# KiCad board antmicro-jetson-agx-csi-adapter.kicad_pcb
title: Jetson AGX CSI adapter; date: 2024-06-24; rev: 1.0.1; company: Antmicro
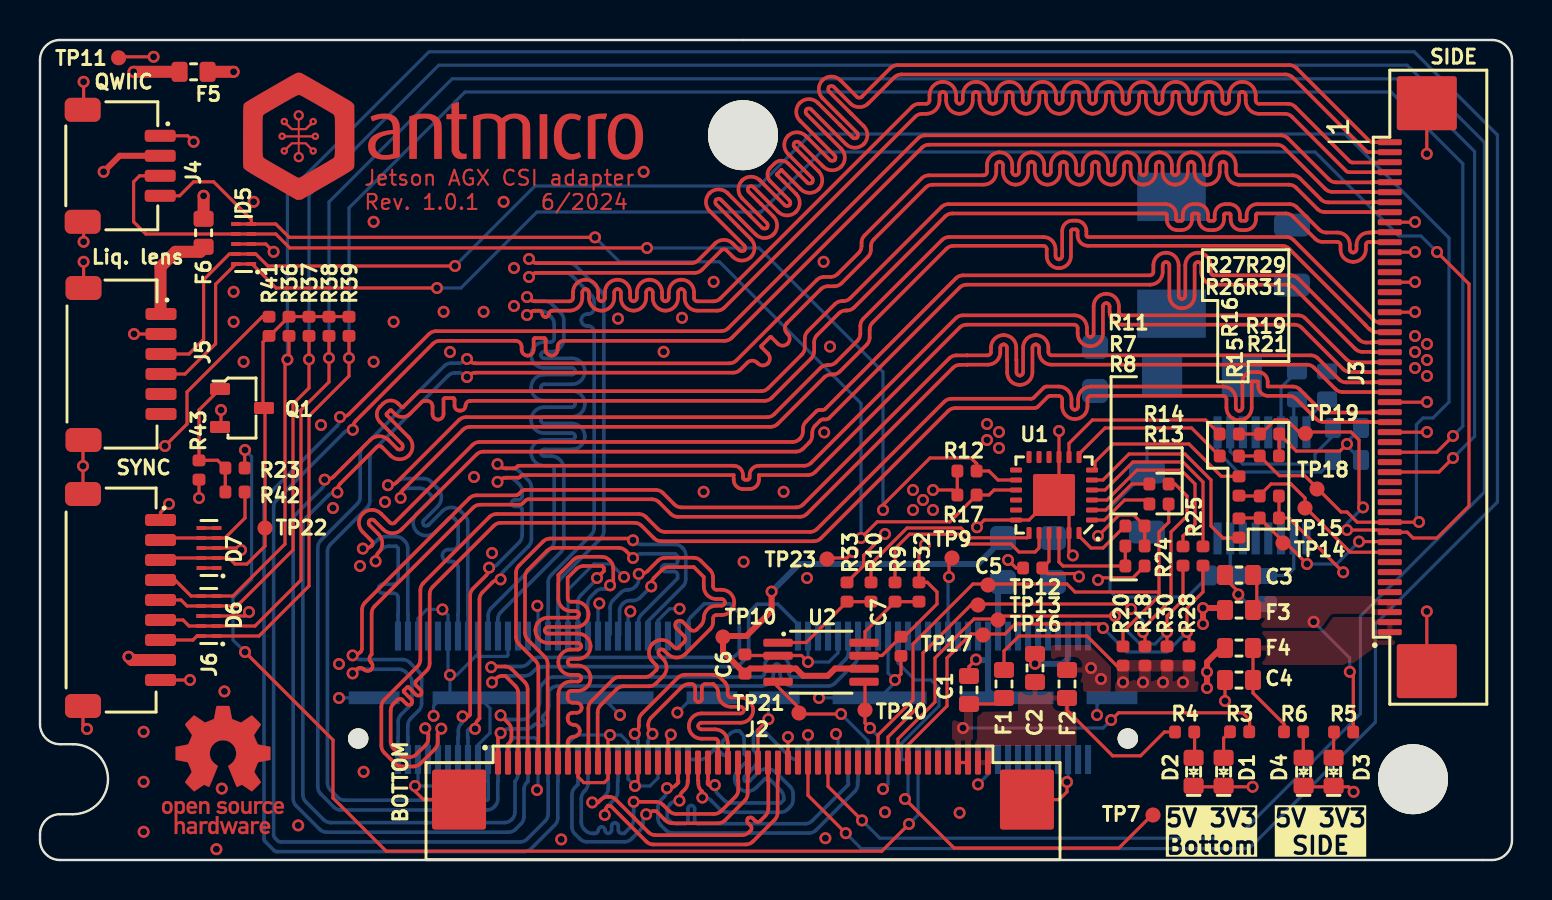
[diagram p0: board, top side]
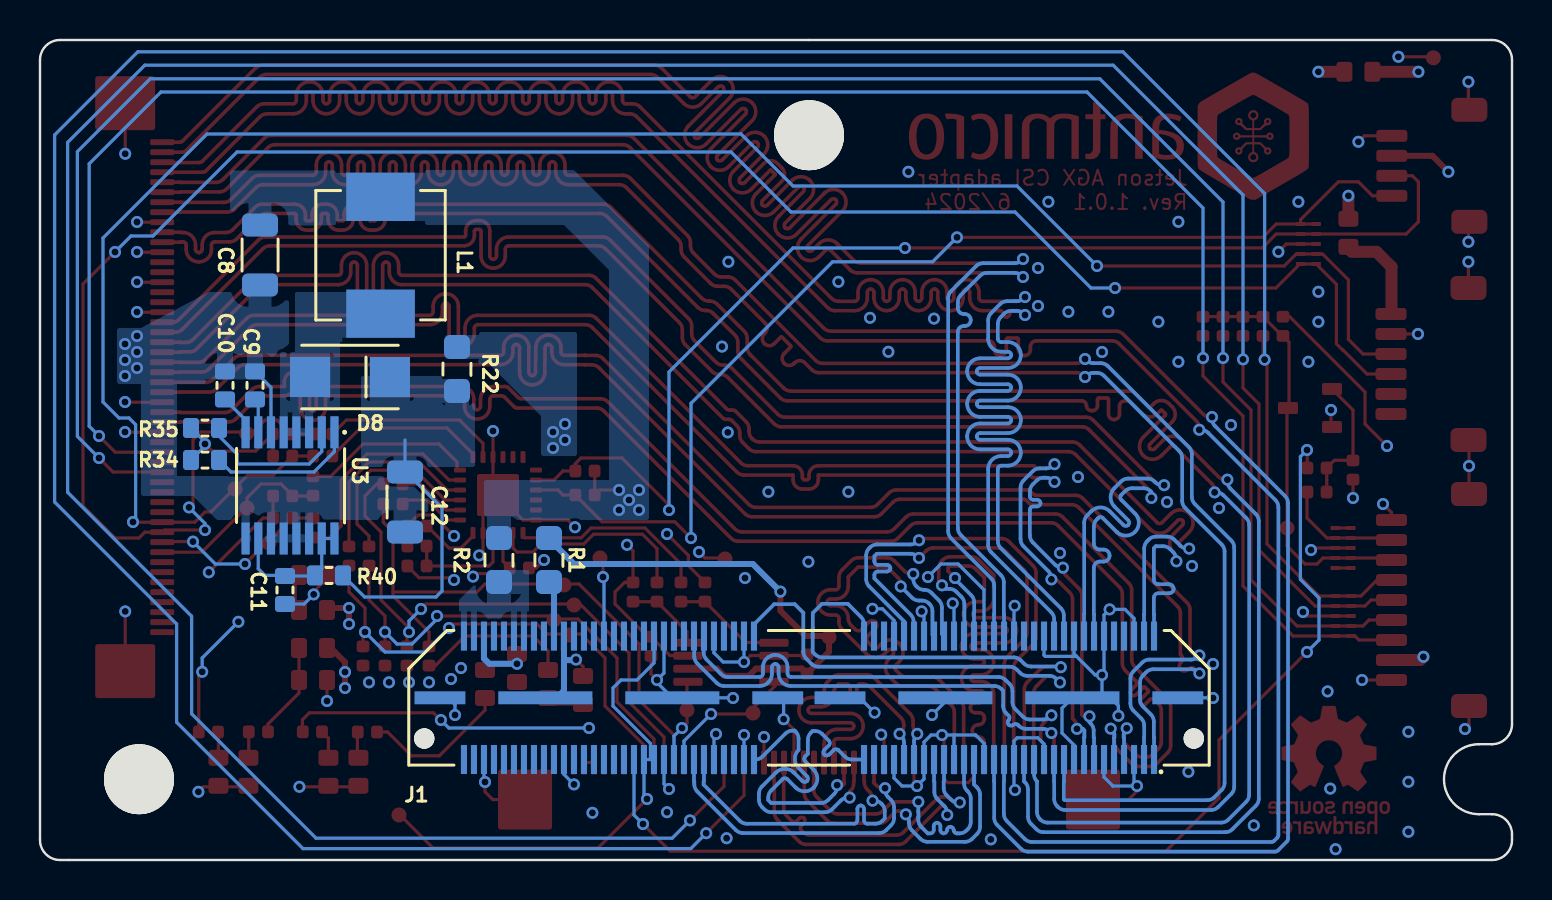
[diagram p1: board, bottom side, seen from below]

Outline 73.6 x 41 mm; copper layers: Top, In1.Cu (plane), In2.Cu (plane), Bottom. Coordinates in mm from the lower left corner of the outline.
Outline path: 0,40 arc(0.29,40.71) 1,41 72.6,41 arc(73.31,40.71) 73.6,40 73.6,1 arc(73.31,0.29) 72.6,0 1,0 arc(0.29,0.29) 0,1 0,1.29 arc(0.29,2) 1,2.29 1.65,2.29 arc(3.4,4.04) 1.65,5.79 1,5.79 arc(0.29,6.08) 0,6.79 0,40
Stack: Top 0.018mm / dielectric 0.12mm PR2116 er 4.3 / In1.Cu 0.035mm / dielectric 1.2mm FR4 er 4.5 / In2.Cu 0.035mm / dielectric 0.12mm PR2116 er 4.3 / Bottom 0.018mm

## Placement (name value [footprint] x y rotation side)
C1  C_1u_0603  [C_0603_1608Metric]  46.45 8.5 90 top
C2  C_1u_0603  [C_0603_1608Metric]  49.75 9.6 90 top
C3  C_1u_0603  [C_0603_1608Metric]  59.95 14.25 180 top
C4  C_1u_0603  [C_0603_1608Metric]  59.95 9 180 top
C5  C_100n_0402  [C_0402_1005Metric]  49.64 14.6 0 top
C6  C_100n_0402  [C_0402_1005Metric]  35.25 9.8 270 top
C7  C_100n_0402  [C_0402_1005Metric]  43.05 10.69 90 top
C8  C_220u_1206_6V3  [C_1206_3216Metric]  62.6 30.25 90 bottom
C9  C_100n_0603  [C_0603_1608Metric]  62.85 23.73 270 bottom
C10  C_220n_0603  [C_0603_1608Metric]  64.35 23.73 90 bottom
C11  C_100n_0603  [C_0603_1608Metric]  61.35 13.5 90 bottom
C12  C_220u_1206_6V3  [C_1206_3216Metric]  55.35 17.9 90 bottom
D1  LED_G_0603_LTST-C190GKT  [LED_0603_1608Metric_G]  59.18 4.41 90 top
D2  LED_G_0603_LTST-C190GKT  [LED_0603_1608Metric_G]  57.68 4.41 90 top
D3  LED_G_0603_LTST-C190GKT  [LED_0603_1608Metric_G]  64.68 4.41 90 top
D4  LED_G_0603_LTST-C190GKT  [LED_0603_1608Metric_G]  63.18 4.41 90 top
D5  PUSB3F96X_PASS  [Nexperia_DFN-10_2.5x1mm_P0.5mm]  10.18 30.8 90 top
D6  PUSB3F96X_PASS  [Nexperia_DFN-10_2.5x1mm_P0.5mm]  8.44 12.2 90 top
D7  PUSB3F96X_PASS  [Nexperia_DFN-10_2.5x1mm_P0.5mm]  8.45 15.6 90 top
D8  B340A-13-F  [D_SMA]  58.1 24.15 0 bottom
F1  F_1.25A_0603  [F_0603_1608Metric]  48.2 8.8 90 top
F2  F_1.25A_0603  [F_0603_1608Metric]  51.35 8.8 90 top
F3  F_1.25A_0603  [F_0603_1608Metric]  59.95 12.5 180 top
F4  F_1.25A_0603  [F_0603_1608Metric]  59.95 10.6 180 top
F5  F_1.25A_0603  [F_0603_1608Metric]  7.68 39.41 0 top
F6  F_1.25A_0603  [F_0603_1608Metric]  8.18 31.36 90 top
J1  Plug_Samtec_QTH_2x60_QTH-060-03-L-D-A  [Conn_Plug_Samtec_QTH_2x60_QTH-060-03-L-D-A]  35.15 8.11 0 bottom
J2  Conn_FFC_WE_68715014522  [Conn_FFC_WE_68715014x22]  35.15 2.72 0 top
J3  Conn_FFC_WE_68715014022_CUSTOM_FLIPPED  [Conn_FFC_WE_68715014x22_CUSTOM_FLIPPED]  69.64 23.64 90 top
J4  JST_SH_1x4_SM04B-SRSS-TB-LF-SN  [Conn_JST_SH_1x4_SM04B-SRSS-TB-LF-SN]  3.89 34.71 270 top
J5  JST_SH_1x6_SM06B-SRSS-TB-LF-SN  [Conn_JST_SH_1x6_SM06B-SRSS-TB-LF-SN]  3.95 24.8 270 top
J6  JST_SH_1x9_SM09B-SRSS-TB-LF-SN  [Conn_JST_SH_1x9_SM09B-SRSS-TB-LF-SN]  3.91 13 270 top
L1  L_8u2_4A_2525  [L_2525_6363Metric]  56.6 30.25 270 bottom
MP1  -  [MP_NPTH_Drill3.5mm]  35.15 36.24 0 top
MP2  -  [MP_NPTH_Drill3.5mm]  68.65 4.04 0 top
N1  antmicro_logo  [antmicro-logo_scaled_20mm]  20.15 36 0 top
N2  oshw_logo  [oshw-logo]  9.15 4.5 0 top
Q1  BSS138AKA  [SOT-23-3]  10.1 22.6 0 top
R1  R_0R_0805  [R_0805_2012Metric]  48.15 15 90 bottom
R2  R_0R_0805  [R_0805_2012Metric]  50.65 15 90 bottom
R3  R_200R_0402  [R_0402_1005Metric]  59.98 6.41 180 top
R4  R_470R_0402  [R_0402_1005Metric]  57.23 6.4 0 top
R5  R_200R_0402  [R_0402_1005Metric]  65.18 6.4 180 top
R6  R_470R_0402  [R_0402_1005Metric]  62.68 6.41 0 top
R7  R_0R_0402  [R_0402_1005Metric]  54.75 15.7 0 top
R8  R_0R_0402  [R_0402_1005Metric]  54.75 14.7 180 top
R9  R_0R_0402  [R_0402_1005Metric]  42.75 13.4 90 top
R10  R_0R_0402  [R_0402_1005Metric]  41.55 13.4 90 top
R11  R_10k_0402  [R_0402_1005Metric]  54.75 16.7 0 top
R12  R_2k_0402  [R_0402_1005Metric]  46.35 19.45 180 top
R13  R_0R_0402  [R_0402_1005Metric]  55.95 17.8 0 top
R14  R_0R_0402  [R_0402_1005Metric]  55.95 18.8 0 top
R15  R_0R_0402  [R_0402_1005Metric]  59.95 16.6 90 top
R16  R_0R_0402  [R_0402_1005Metric]  59.95 18.7 270 top
R17  R_2k_0402  [R_0402_1005Metric]  46.35 18.25 180 top
R18  R_2k_0402  [R_0402_1005Metric]  55.25 10.2 270 top
R19  R_2k_0402  [R_0402_1005Metric]  61.47 18.2 0 top
R20  R_2k_0402  [R_0402_1005Metric]  54.15 10.2 270 top
R21  R_2k_0402  [R_0402_1005Metric]  61.47 17.1 0 top
R22  R_0R_0805  [R_0805_2012Metric]  52.75 24.55 90 bottom
R23  R_0R_0402  [R_0402_1005Metric]  9.75 19.6 0 top
R24  R_0R_0402  [R_0402_1005Metric]  57.15 15.2 270 top
R25  R_0R_0402  [R_0402_1005Metric]  58.15 15.2 270 top
R26  R_0R_0402  [R_0402_1005Metric]  59.47 20.2 0 top
R27  R_0R_0402  [R_0402_1005Metric]  59.47 21.3 0 top
R28  R_2k_0402  [R_0402_1005Metric]  57.45 10.2 270 top
R29  R_2k_0402  [R_0402_1005Metric]  61.48 21.3 0 top
R30  R_2k_0402  [R_0402_1005Metric]  56.35 10.2 270 top
R31  R_2k_0402  [R_0402_1005Metric]  61.47 20.2 0 top
R32  R_2k_0402  [R_0402_1005Metric]  43.95 13.4 90 top
R33  R_2k_0402  [R_0402_1005Metric]  40.35 13.4 90 top
R34  R_2k2_0603  [R_0603_1608Metric]  65.35 20 0 bottom
R35  R_2k2_0603  [R_0603_1608Metric]  65.35 21.6 0 bottom
R36  R_0R_0402  [R_0402_1005Metric]  12.45 26.69 90 top
R37  R_0R_0402  [R_0402_1005Metric]  13.45 26.69 90 top
R38  R_0R_0402  [R_0402_1005Metric]  14.45 26.69 90 top
R39  R_0R_0402  [R_0402_1005Metric]  15.45 26.69 90 top
R40  R_2R_0603  [R_0603_1608Metric]  59.15 14.23 180 bottom
R41  R_2k_0402  [R_0402_1005Metric]  11.45 26.69 90 top
R42  R_0R_0402  [R_0402_1005Metric]  9.75 18.4 0 top
R43  R_2k_0402  [R_0402_1005Metric]  7.95 19.5 90 top
TP7  TP_0.75mm_SMD  [TP_SMD_0.75mm]  55.65 2.25 0 top
TP9  TP_0.75mm_SMD  [TP_SMD_0.75mm]  45.6 15.1 0 top
TP10  TP_0.75mm_SMD  [TP_SMD_0.75mm]  34.15 11.15 0 top
TP11  TP_0.75mm_SMD  [TP_SMD_0.75mm]  3.93 40.11 0 top
TP12  TP_0.75mm_SMD  [TP_SMD_0.75mm]  47.4 13.75 0 top
TP13  TP_0.75mm_SMD  [TP_SMD_0.75mm]  46.9 12.75 0 top
TP14  TP_0.75mm_SMD  [TP_SMD_0.75mm]  62.15 15.85 0 top
TP15  TP_0.75mm_SMD  [TP_SMD_0.75mm]  63.25 17.6 0 top
TP16  TP_0.75mm_SMD  [TP_SMD_0.75mm]  47.9 12 0 top
TP17  TP_0.75mm_SMD  [TP_SMD_0.75mm]  47.15 11.25 0 top
TP18  TP_0.75mm_SMD  [TP_SMD_0.75mm]  63.85 18.55 0 top
TP19  TP_0.75mm_SMD  [TP_SMD_0.75mm]  63.27 21.33 0 top
TP20  TP_0.75mm_SMD  [TP_SMD_0.75mm]  41.25 7.5 180 top
TP21  TP_0.75mm_SMD  [TP_SMD_0.75mm]  37.95 7.35 180 top
TP22  TP_0.75mm_SMD  [TP_SMD_0.75mm]  11.25 16.6 0 top
TP23  TP_0.75mm_SMD  [TP_SMD_0.75mm]  39.35 15.05 0 top
U1  PCA9547_VQFN  [VQFN-24-1EP_3.8x3.8x1.0mm_P0.5mm]  50.7 18.25 180 top
U2  NTS0102_TSSOP  [TSSOP-8_3x3mm_P0.65mm]  39.05 9.9 0 top
U3  MAX1708EEE+  [QSOP-16_3.9x4.9mm_P0.635mm]  61.1 18.73 270 bottom

## Library data of the parts
C1 = -: Description: SMD Multilayer Ceramic Capacitor, 1 µF, 16 V, 0603 [1608 Metric], ± 10%, X5R, AVX 0603 MLCC; Author: Antmicro; License: Apache-2.0; MPN: 0603YD105KAT2A; Manufacturer: KYOCERA AVX; Public: False; Val: 1u; Field12: Author: Antmicro; Field13: License: Apache-2.0
C2 C4 = -: Description: SMD Multilayer Ceramic Capacitor, 1 µF, 16 V, 0603 [1608 Metric], ± 10%, X5R, AVX 0603 MLCC; Author: Antmicro; License: Apache-2.0; MPN: 0603YD105KAT2A; Manufacturer: KYOCERA AVX; Public: False; Val: 1u; Field12: License: Apache-2.0; Field13: Author: Antmicro
C3 = -: Description: SMD Multilayer Ceramic Capacitor, 1 µF, 16 V, 0603 [1608 Metric], ± 10%, X5R, AVX 0603 MLCC; Author: Antmicro; License: Apache-2.0; MPN: 0603YD105KAT2A; Manufacturer: KYOCERA AVX; Public: False; Val: 1u; Field12: License: Apache-2.0; Field14: Author: Antmicro
C5-C7 = -: Description: SMD Multilayer Ceramic Capacitor, 0.1 µF, 50 V, 0402 [1005 Metric], ± 10%, X5R, GRM Series; Author: Antmicro; Dielectric: X5R; License: Apache-2.0; MPN: GRM155R61H104KE14D; Manufacturer: Murata; Public: False; Val: 100n; Voltage: 50V; Field12: Author: Antmicro; Field13: License: Apache-2.0
C8 = -: Description: SMD Multilayer Ceramic Capacitor, 220 µF, 6.3 V, 1206 [3216 Metric], ± 20%, X5R, GRM Series; Author: Antmicro; License: Apache-2.0; MPN: GRM31CR60J227ME11L; Manufacturer: Murata; Public: False; Val: 220u; Field12: Author: Antmicro; Field14: License: Apache-2.0
C9 = -: Description: SMD Multilayer Ceramic Capacitor, 0.1 µF, 16 V, 0603 [1608 Metric], ± 10%, X7R, AVX 0603 MLCC; Author: Antmicro; License: Apache-2.0; MPN: 0603YC104KAZ2A; Manufacturer: AVX; Public: False; Val: 100n; Field12: License: Apache-2.0; Field14: Author: Antmicro
C10 = -: Description: SMD Multilayer Ceramic Capacitor, 0.22 µF, 10 V, 0603 [1608 Metric], ± 10%, X7R; Author: Antmicro; License: Apache-2.0; MPN: 0603B224K100CT; Manufacturer: Walsin; Public: False; Val: 220n; Field12: License: Apache-2.0; Field13: Author: Antmicro
C11 = -: Description: SMD Multilayer Ceramic Capacitor, 0.1 µF, 16 V, 0603 [1608 Metric], ± 10%, X7R, AVX 0603 MLCC; Author: Antmicro; License: Apache-2.0; MPN: 0603YC104KAZ2A; Manufacturer: AVX; Public: False; Val: 100n; Field12: Author: Antmicro; Field14: License: Apache-2.0
C12 = -: Description: SMD Multilayer Ceramic Capacitor, 220 µF, 6.3 V, 1206 [3216 Metric], ± 20%, X5R, GRM Series; Author: Antmicro; License: Apache-2.0; MPN: GRM31CR60J227ME11L; Manufacturer: Murata; Public: False; Val: 220u; Field13: License: Apache-2.0; Field14: Author: Antmicro
D1 = -: Description: LED, Green, SMD, 0603, 20 mA, 2.1 V, 569 nm; Author: Antmicro; Color: Green; License: Apache-2.0; MPN: LTST-C190GKT; Manufacturer: Lite-On; Public: False; Field10: License: Apache-2.0; Field11: Author: Antmicro
D2 = -: Description: LED, Green, SMD, 0603, 20 mA, 2.1 V, 569 nm; Author: Antmicro; Color: Green; License: Apache-2.0; MPN: LTST-C190GKT; Manufacturer: Lite-On; Public: False; Field11: Author: Antmicro; Field12: License: Apache-2.0
D3 = -: Description: LED, Green, SMD, 0603, 20 mA, 2.1 V, 569 nm; Author: Antmicro; Color: Green; License: Apache-2.0; MPN: LTST-C190GKT; Manufacturer: Lite-On; Public: False; Field11: License: Apache-2.0; Field12: Author: Antmicro
D4 = -: Description: LED, Green, SMD, 0603, 20 mA, 2.1 V, 569 nm; Author: Antmicro; Color: Green; License: Apache-2.0; MPN: LTST-C190GKT; Manufacturer: Lite-On; Public: False; Field10: License: Apache-2.0; Field12: Author: Antmicro
D5 = -: Description: TVS diode array, 10 kV, DFN-2510, 5.5 V, 0.5 pF; Author: Antmicro; License: Apache-2.0; MPN: PUSB3F96X; Manufacturer: Nexperia; Field9: Author: Antmicro; Field10: License: Apache-2.0
D6 = -: Description: TVS diode array, 10 kV, DFN-2510, 5.5 V, 0.5 pF; Author: Antmicro; License: Apache-2.0; MPN: PUSB3F96X; Manufacturer: Nexperia; Field8: Author: Antmicro; Field9: License: Apache-2.0
D7 = -: Description: TVS diode array, 10 kV, DFN-2510, 5.5 V, 0.5 pF; Author: Antmicro; License: Apache-2.0; MPN: PUSB3F96X; Manufacturer: Nexperia; Field8: Author: Antmicro; Field10: License: Apache-2.0
D8 = -: Description: Schottky Diode, 40V, 3A, Single; Author: Antmicro; License: Apache-2.0; Manufacturer: Diodes Incorporated; Public: False; Field9: License: Apache-2.0; Field11: Author: Antmicro
F1 F4 = -: Description: Fuse, Surface Mount, 1.25 A, Very Fast Acting, 32 V, 32 V, 0603 (1608 Metric), 467; Author: Antmicro; License: Apache-2.0; MPN: 04671.25NR; Manufacturer: Littelfuse; Field8: Author: Antmicro; Field9: License: Apache-2.0
F2 = -: Description: Fuse, Surface Mount, 1.25 A, Very Fast Acting, 32 V, 32 V, 0603 (1608 Metric), 467; Author: Antmicro; License: Apache-2.0; MPN: 04671.25NR; Manufacturer: Littelfuse; Field9: License: Apache-2.0; Field10: Author: Antmicro
F3 = -: Description: Fuse, Surface Mount, 1.25 A, Very Fast Acting, 32 V, 32 V, 0603 (1608 Metric), 467; Author: Antmicro; License: Apache-2.0; MPN: 04671.25NR; Manufacturer: Littelfuse; Field8: License: Apache-2.0; Field9: Author: Antmicro
F5 F6 = -: Description: Fuse, Surface Mount, 1.25 A, Very Fast Acting, 32 V, 32 V, 0603 (1608 Metric), 467; Author: Antmicro; License: Apache-2.0; MPN: 04671.25NR; Manufacturer: Littelfuse; Field9: Author: Antmicro; Field10: License: Apache-2.0
J1 = -: Description: Mezzanine Connector, Ground Plane, Header, 0.5 mm, 2 Rows, 120 Contacts, Surface Mount; Author: Antmicro; License: Apache-2.0; MPN: QTH-060-03-L-D-A; Manufacturer: Samtec; Pitch: 0.5 mm; Field9: Author: Antmicro; Field10: License: Apache-2.0
J2 = -: Description: FFC connector; Author: Antmicro; License: Apache-2.0; MPN: 68715014522; Manufacturer: Würth Elektronik; Field8: License: Apache-2.0; Field9: Author: Antmicro
J3 = -: Description: FFC connector; Author: Antmicro; License: Apache-2.0; MPN: 68715014022; Manufacturer: Würth Elektronik; Field8: License: Apache-2.0; Field10: Author: Antmicro
J4 = -: Description: Pin Header, Right Angle, Wire-to-Board, 1 mm, 1 Rows, 4 Contacts, Surface Mount Right Angle, SH; Author: Antmicro; License: Apache-2.0; MPN: SM04B-SRSS-TB(LF)(SN); Manufacturer: JST Automotive Connectors; Field8: License: Apache-2.0; Field10: Author: Antmicro
J5 = -: Description: Pin Header, Right Angle, Wire-to-Board, 1 mm, 1 Rows, 6 Contacts, Surface Mount Right Angle, SR; Author: Antmicro; License: Apache-2.0; MPN: SM06B-SRSS-TB(LF)(SN); Manufacturer: JST Automotive Connectors; Field8: License: Apache-2.0; Field10: Author: Antmicro
J6 = -: Description: Connector Header Surface Mount, Right Angle 9 position 0.039" (1.00mm); Author: Antmicro; License: Apache-2.0; MPN: SM09B-SRSS-TB(LF)(SN); Manufacturer: JST Automotive Connectors; Field8: License: Apache-2.0; Field9: Author: Antmicro
L1 = -: Description: Power Inductor (SMT), 8.2 µH, 4 A, Shielded, 7.5 A, IHLP-2525CZ-01, 2525 [6363 Metric]; Author: Antmicro; IMax: 4 A; ISat: 7.5 A; License: Apache-2.0; MPN: IHLP2525CZER8R2M01; Manufacturer: Vishay; Public: False; Size: 6.47x6.47; Val: 8u2/4A; Field14: License: Apache-2.0; Field15: Author: Antmicro
MP1 MP2 = -: Description: Mechanical part; Author: Antmicro; License: Apache-2.0; Public: False; Field8: License: Apache-2.0; Field9: Author: Antmicro
N1 = -: Description: Mechanical part; Author: Antmicro; License: Apache-2.0; Public: False; Field10: Author: Antmicro; Field11: License: Apache-2.0
N2 = -: Description: Mechanical part; Author: Antmicro; License: Apache-2.0; Public: False; Field10: License: Apache-2.0; Field11: Author: Antmicro
Q1 = -: Description: Power MOSFET, N Channel, 50 V, 220 mA, 6.0 ohm, SOT-23, Surface Mount; Author: Antmicro; License: Apache-2.0; Manufacturer: ON Semiconductor; Public: False; Field10: License: Apache-2.0; Field11: Author: Antmicro
R1 = -: Description: Zero Ohm Resistor, Jumper, 0805 [2012 Metric], Thick Film, 125 mW, 2.5 A, Surface Mount Device; Author: Antmicro; Current: 2.5A; License: Apache-2.0; MPN: CRCW08050000Z0EA; Manufacturer: Vishay; Public: False; Val: 0R; Field13: License: Apache-2.0; Field14: Author: Antmicro
R2 = -: Description: Zero Ohm Resistor, Jumper, 0805 [2012 Metric], Thick Film, 125 mW, 2.5 A, Surface Mount Device; Author: Antmicro; Current: 2.5A; License: Apache-2.0; MPN: CRCW08050000Z0EA; Manufacturer: Vishay; Public: False; Val: 0R; Field12: Author: Antmicro; Field14: License: Apache-2.0
R3 = -: Description: SMD Chip Resistor, 200 ohm, ± 1%, 62.5 mW, 0402 [1005 Metric], Thick Film, General Purpose; Author: Antmicro; License: Apache-2.0; MPN: CR0402-FX-2000GLF; Manufacturer: Bourns; Public: False; Tolerance: 1%; Val: 200R; Field11: License: Apache-2.0; Field13: Author: Antmicro
R4 = -: Description: SMD Chip Resistor, 470 ohm, ± 1%, 62.5 mW, 0402 [1005 Metric], Thick Film, General Purpose; Author: Antmicro; License: Apache-2.0; MPN: CR0402-FX-4700GLF; Manufacturer: Bourns; Public: False; Tolerance: 1%; Val: 470R; Field11: Author: Antmicro; Field13: License: Apache-2.0
R5 = -: Description: SMD Chip Resistor, 200 ohm, ± 1%, 62.5 mW, 0402 [1005 Metric], Thick Film, General Purpose; Author: Antmicro; License: Apache-2.0; MPN: CR0402-FX-2000GLF; Manufacturer: Bourns; Public: False; Tolerance: 1%; Val: 200R; Field12: License: Apache-2.0; Field13: Author: Antmicro
R6 = -: Description: SMD Chip Resistor, 470 ohm, ± 1%, 62.5 mW, 0402 [1005 Metric], Thick Film, General Purpose; Author: Antmicro; License: Apache-2.0; MPN: CR0402-FX-4700GLF; Manufacturer: Bourns; Public: False; Tolerance: 1%; Val: 470R; Field11: License: Apache-2.0; Field12: Author: Antmicro
R7 R8 R13 R24 R27 = -: Description: SMD Chip Resistor, Jumper, 0 ohm, 100 mW, 0402 [1005 Metric], Thick Film, General Purpose; Author: Antmicro; Current: 1A; License: Apache-2.0; MPN: ERJ2GE0R00X; Manufacturer: Panasonic; Public: False; Val: 0R; Field13: License: Apache-2.0; Field14: Author: Antmicro
R9 R16 R26 = -: Description: SMD Chip Resistor, Jumper, 0 ohm, 100 mW, 0402 [1005 Metric], Thick Film, General Purpose; Author: Antmicro; Current: 1A; License: Apache-2.0; MPN: ERJ2GE0R00X; Manufacturer: Panasonic; Public: False; Val: 0R; Field13: Author: Antmicro; Field14: License: Apache-2.0
R10 R14 R15 R37 = -: Description: SMD Chip Resistor, Jumper, 0 ohm, 100 mW, 0402 [1005 Metric], Thick Film, General Purpose; Author: Antmicro; Current: 1A; License: Apache-2.0; MPN: ERJ2GE0R00X; Manufacturer: Panasonic; Public: False; Val: 0R; Field12: License: Apache-2.0; Field14: Author: Antmicro
R11 = -: Description: SMD Chip Resistor, 10 kohm, ± 1%, 62.5 mW, 0402 [1005 Metric], Thick Film, General Purpose; Author: Antmicro; License: Apache-2.0; MPN: CR0402-FX-1002GLF; Manufacturer: Bourns; Public: False; Tolerance: 1%; Val: 10k; Field12: License: Apache-2.0; Field13: Author: Antmicro
R12 R19 R29 R32 = -: Description: SMD Chip Resistor, 2 kohm, ± 1%, 62.5 mW, 0402 [1005 Metric], Thick Film, General Purpose; Author: Antmicro; License: Apache-2.0; MPN: CR0402-FX-2001GLF; Manufacturer: Bourns; Public: False; Tolerance: 1%; Val: 2k; Field12: Author: Antmicro; Field13: License: Apache-2.0
R17 R18 R21 = -: Description: SMD Chip Resistor, 2 kohm, ± 1%, 62.5 mW, 0402 [1005 Metric], Thick Film, General Purpose; Author: Antmicro; License: Apache-2.0; MPN: CR0402-FX-2001GLF; Manufacturer: Bourns; Public: False; Tolerance: 1%; Val: 2k; Field11: License: Apache-2.0; Field13: Author: Antmicro
R20 R28 = -: Description: SMD Chip Resistor, 2 kohm, ± 1%, 62.5 mW, 0402 [1005 Metric], Thick Film, General Purpose; Author: Antmicro; License: Apache-2.0; MPN: CR0402-FX-2001GLF; Manufacturer: Bourns; Public: False; Tolerance: 1%; Val: 2k; Field11: License: Apache-2.0; Field12: Author: Antmicro
R22 = -: Description: Zero Ohm Resistor, Jumper, 0805 [2012 Metric], Thick Film, 125 mW, 2.5 A, Surface Mount Device; Author: Antmicro; Current: 2.5A; License: Apache-2.0; MPN: CRCW08050000Z0EA; Manufacturer: Vishay; Public: False; Val: 0R; Field13: Author: Antmicro; Field14: License: Apache-2.0
R23 R25 R38 R39 = -: Description: SMD Chip Resistor, Jumper, 0 ohm, 100 mW, 0402 [1005 Metric], Thick Film, General Purpose; Author: Antmicro; Current: 1A; License: Apache-2.0; MPN: ERJ2GE0R00X; Manufacturer: Panasonic; Public: False; Val: 0R; Field12: Author: Antmicro; Field14: License: Apache-2.0
R30 R41 = -: Description: SMD Chip Resistor, 2 kohm, ± 1%, 62.5 mW, 0402 [1005 Metric], Thick Film, General Purpose; Author: Antmicro; License: Apache-2.0; MPN: CR0402-FX-2001GLF; Manufacturer: Bourns; Public: False; Tolerance: 1%; Val: 2k; Field11: Author: Antmicro; Field12: License: Apache-2.0
R31 R33 R43 = -: Description: SMD Chip Resistor, 2 kohm, ± 1%, 62.5 mW, 0402 [1005 Metric], Thick Film, General Purpose; Author: Antmicro; License: Apache-2.0; MPN: CR0402-FX-2001GLF; Manufacturer: Bourns; Public: False; Tolerance: 1%; Val: 2k; Field11: Author: Antmicro; Field13: License: Apache-2.0
R34 = -: Description: SMD Chip Resistor, 2.2 kohm, ± 1%, 100 mW, 0603 [1608 Metric], Thick Film, General Purpose; Author: Antmicro; License: Apache-2.0; MPN: CR0603-FX-2201ELF; Manufacturer: Bourns; Public: False; Tolerance: 1%; Val: 2k2; Field11: Author: Antmicro; Field13: License: Apache-2.0
R35 = -: Description: SMD Chip Resistor, 2.2 kohm, ± 1%, 100 mW, 0603 [1608 Metric], Thick Film, General Purpose; Author: Antmicro; License: Apache-2.0; MPN: CR0603-FX-2201ELF; Manufacturer: Bourns; Public: False; Tolerance: 1%; Val: 2k2; Field11: License: Apache-2.0; Field13: Author: Antmicro
R36 R42 = -: Description: SMD Chip Resistor, Jumper, 0 ohm, 100 mW, 0402 [1005 Metric], Thick Film, General Purpose; Author: Antmicro; Current: 1A; License: Apache-2.0; MPN: ERJ2GE0R00X; Manufacturer: Panasonic; Public: False; Val: 0R; Field12: License: Apache-2.0; Field13: Author: Antmicro
R40 = -: Description: SMD Chip Resistor; Author: Antmicro; License: Apache-2.0; MPN: CR0603-FX-2R00ELF; Manufacturer: Bourns; Public: False; Tolerance: 1%; Val: 2R; Field11: License: Apache-2.0; Field12: Author: Antmicro
TP7 TP12 TP22 = -: Description: SMT test point; Author: Antmicro; License: Apache-2.0; Public: False; Field10: License: Apache-2.0; Field12: Author: Antmicro
TP9 TP13 = -: Description: SMT test point; Author: Antmicro; License: Apache-2.0; Public: False; Field10: License: Apache-2.0; Field11: Author: Antmicro
TP10 TP15 TP16 = -: Description: SMT test point; Author: Antmicro; License: Apache-2.0; Public: False; Field10: Author: Antmicro; Field11: License: Apache-2.0
TP11 TP17 TP20 TP21 = -: Description: SMT test point; Author: Antmicro; License: Apache-2.0; Public: False; Field11: License: Apache-2.0; Field12: Author: Antmicro
TP14 TP18 TP19 = -: Description: SMT test point; Author: Antmicro; License: Apache-2.0; Public: False; Field11: Author: Antmicro; Field12: License: Apache-2.0
TP23 = -: Description: SMT test point; Author: Antmicro; License: Apache-2.0; Public: False; Field10: Author: Antmicro; Field12: License: Apache-2.0
U1 = -: Description: Specialized Interface, I2C, I2C-Bus System, 2.3 V, 5.5 V, HVQFN, 24 Pins; Author: Antmicro; License: Apache-2.0; MPN: PCA9547BS,118; Manufacturer: NXP; Field8: Author: Antmicro; Field10: License: Apache-2.0
U2 = -: Description: Transceiver, 1.65 V to 3.6 V, TSSOP-8; Author: Antmicro; License: Apache-2.0; MPN: NTS0102DP; Manufacturer: NXP; Field9: License: Apache-2.0; Field10: Author: Antmicro
U3 = -: Description: Step Up Regulator,  700mV-5V in, 3.3V-5V/2A out, QSOP-16; Author: Antmicro; License: Apache-2.0; Manufacturer: Maxim Integrated Products; Field8: Author: Antmicro; Field10: License: Apache-2.0
